# Altium PCB HIVE_BOARD_PCB ASCII REV Project_PCB_Rev.Project_SCH_Rev.PcbDoc (part 7 of 9)
Units mil, origin at the board's own origin, x right, y up, seen from the top; angles counter-clockwise.
Board outline 4330.71 x 4330.71 mil, 8 copper layers (Top, GND_1, Signal_1, GND_2, PWR, Signal_2, GND_3, Bottom), stack 62.994 mil thick; 660 components, 468 nets, 2497 pads, 1806 vias.
Unrouted connection lines stored in the file: 30.
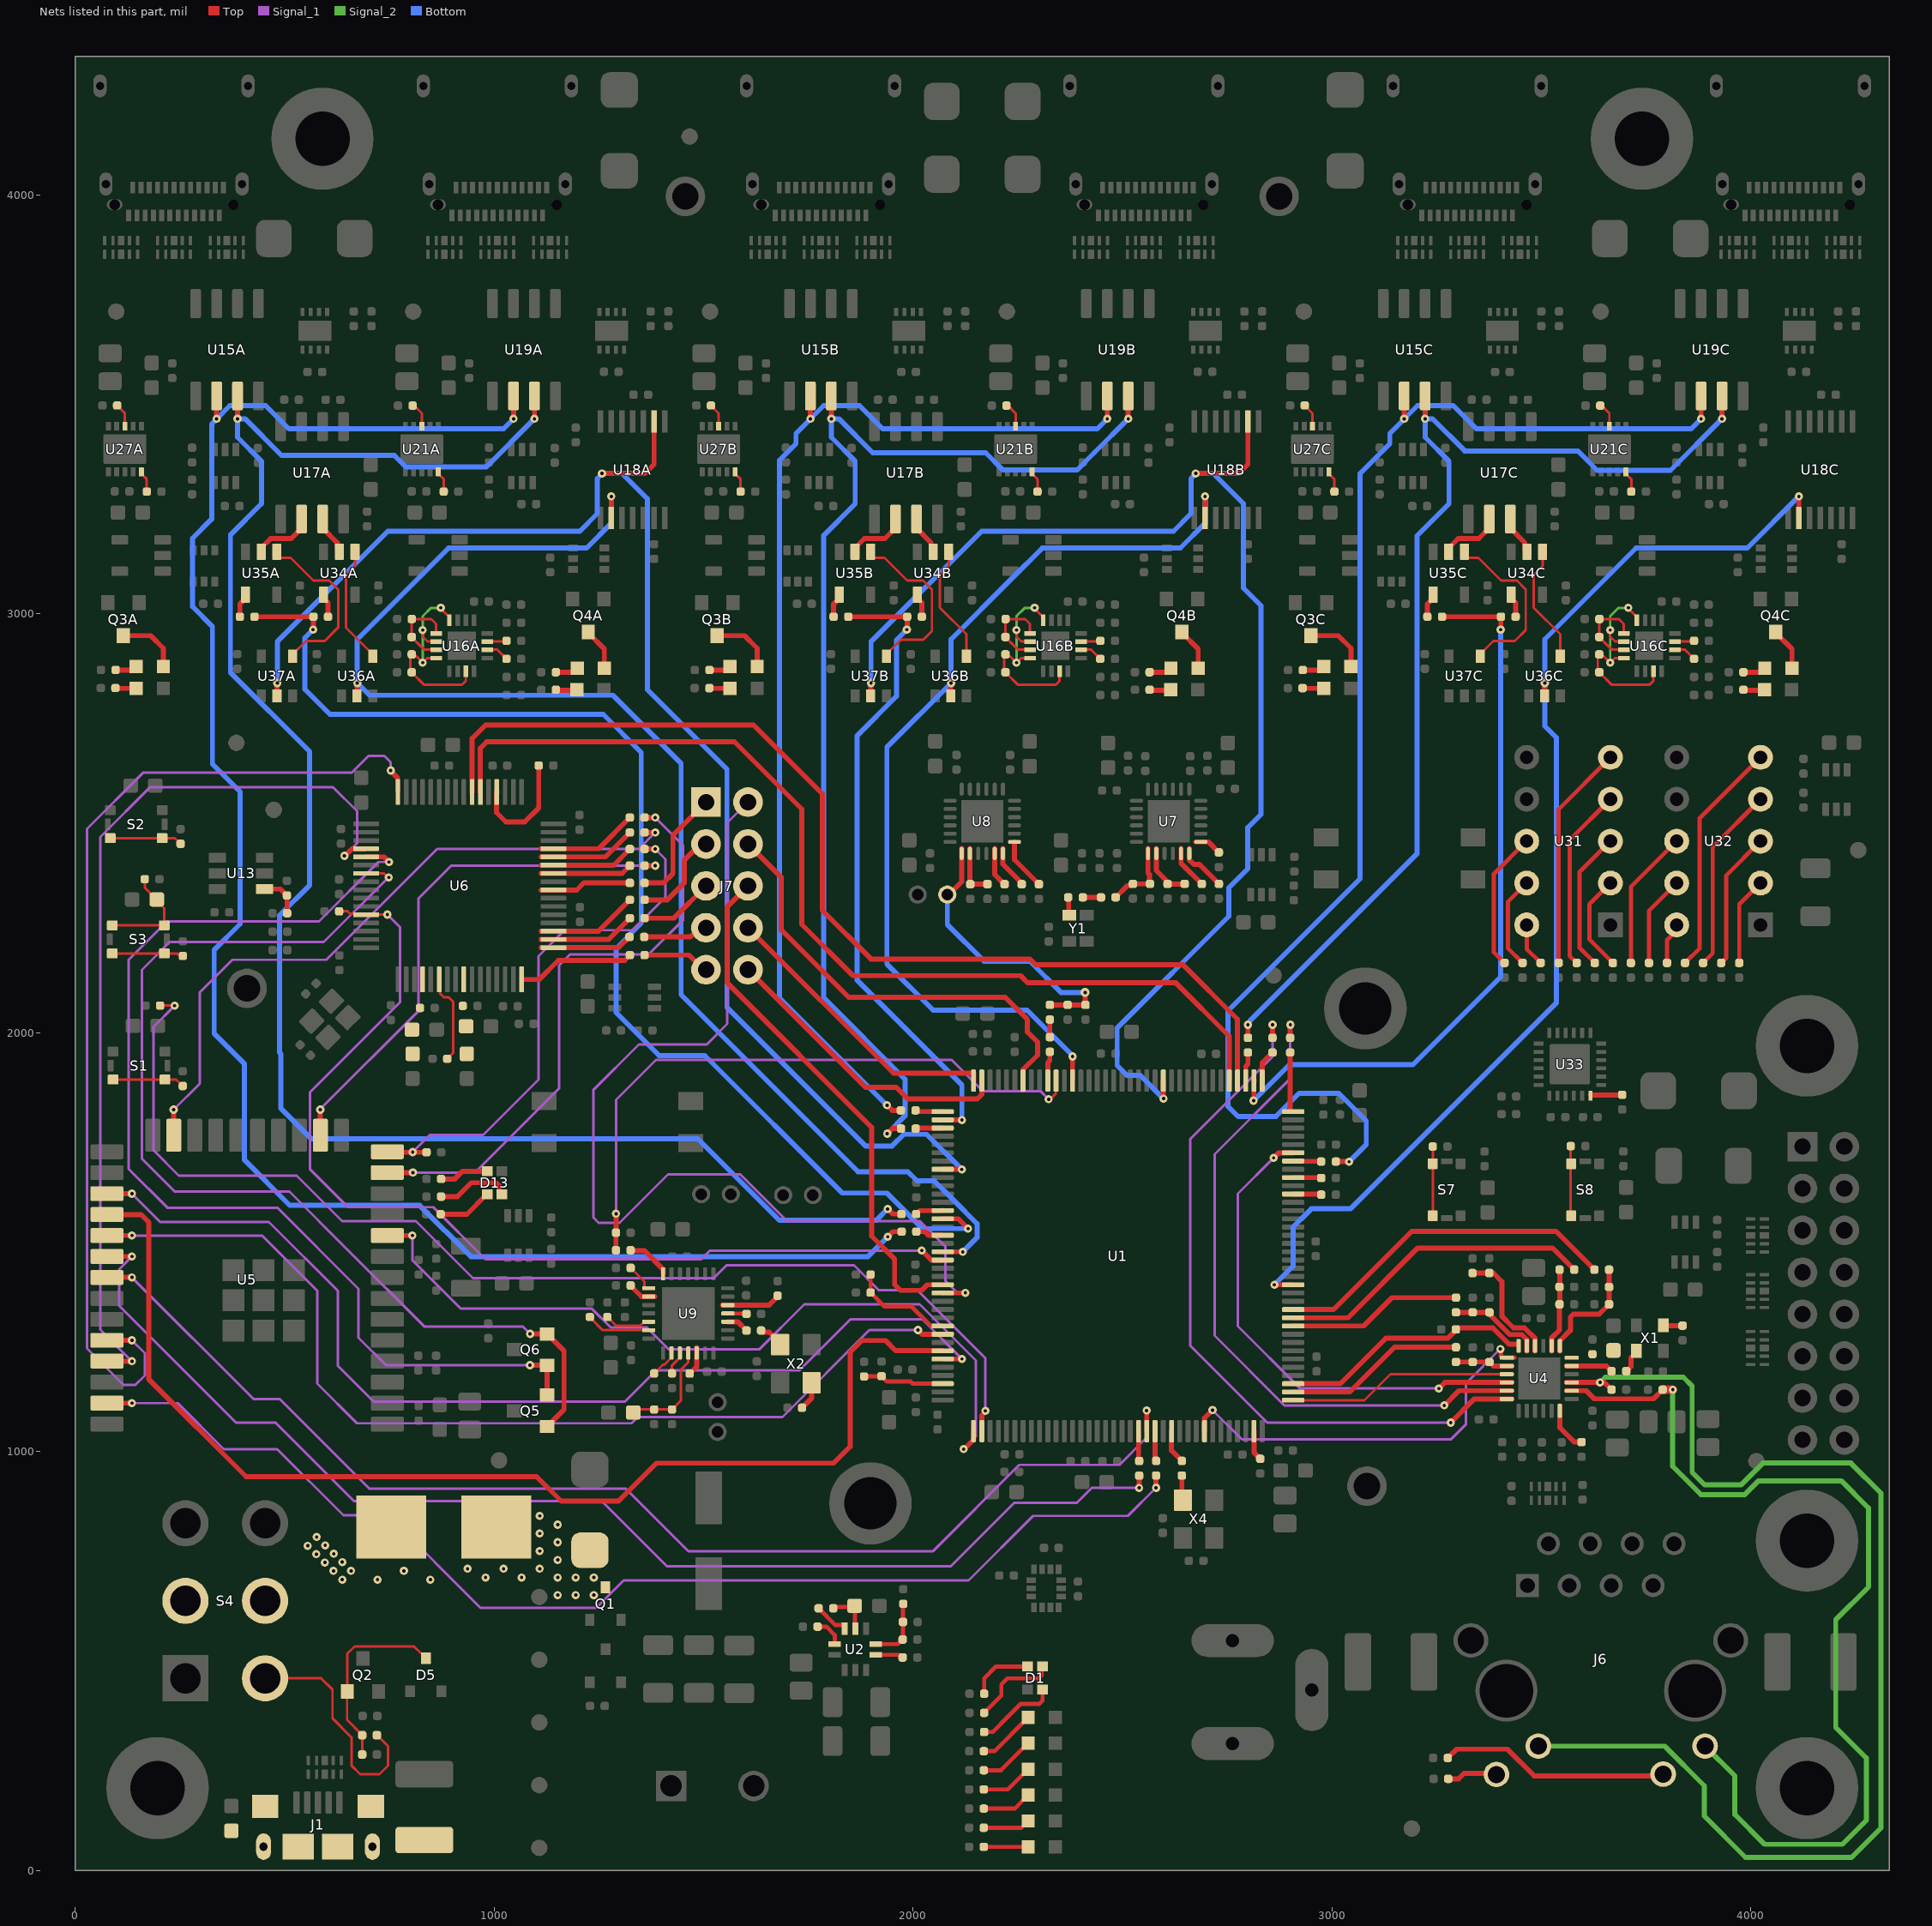
[diagram p13: the nets of this part, all layers, seen from the top]

## Via types
v1: diameter 19.68, hole 7.87, Top to Bottom, tented both sides, 1753 vias
v2: diameter 19.68, hole 7.87, Top to Bottom, 41 vias
v3: diameter 21.65, hole 7.87, Top to Bottom, tented both sides, 7 vias
v4: diameter 19.68, hole 7.87, Top to Bottom, tented bottom, 5 vias

## Nets (pads, with @x,y where several pads share a name; then routed paths per layer and width w, separated by ;. In a path a pad name is that pad's centre, name@x,y a point inside that pad or via, vN(x,y) a via of type N, cw(c..) or ccw(c..) an arc to the next point about the centre after c; other vN are vias at no path point) (continued)
MODE0: R18.1 R53.1 R157.2 U4.8 | length 202.1
  Top w12: U4.8@3524.38,1240 3524.38,1271.38 3543.28,1290.28 R53.1@3543.28,1351.58 ; R53.1@3543.83,1351.58 3543.83,1393.08 R18.1@3543.83,1434.31
MODE1: R19.1 R58.1 R158.2 U4.7 | length 279.1
  Top w12: U4.7@3544.06,1240 3544.06,1264.06 3569.39,1289.39 3569.39,1320.97 3576.42,1328 3637.92,1328 3657.51,1347.58 3657.66,1347.58 R58.1@3661.66,1351.58 R158.2@3661.58,1392.88 3661.58,1434.23 R19.1@3661.51,1434.31
MODE2: R47.1 R60.1 R159.2 U4.11 | length 226.1
  Top w12: R47.1@3296.12,1332.48 R47.1@3296.12,1332.48 R159.2@3376.06,1332.4 R159.2@3376.06,1332.4 3380.06,1328.4 3380.06,1323.94 3424.52,1279.48 3453.11,1279.48 3465.22,1267.36 3465.22,1252.44 U4.11@3465.32,1252.33 U4.11@3465.32,1240
NetC4_1: C4.1 R8.1 S3.3 S3.4 | length 248.9
  Top w6: S3.4@88.92,2256.09 S3.3@212.93,2256.09 212.93,2296.97 C4.1@196.54,2313.36 ; R8.1@166.33,2366.33 166.33,2346.15 194.73,2317.75 C4.1@195.23,2317.75
NetC26_1: C26.1 R15.1 R26.2 U2.7 | length 154.1
  Top w10: U2.7@1911.56,540.58 1963.98,540.58 1974.89,551.48 R15.1@1975.43,551.48 1976.13,552.19 1976.13,635.89 R26.2@1976.84,636.6
NetC37_1: C37.1 R24.2 U2.9 | length 109.1
  Top w10: R24.2@1809.76,625.98 1812.76,628.98 1857.76,628.98 C37.1@1860.76,631.98 1861.55,631.18 1861.55,577.79 U2.9@1862.35,577
NetC47_2: C47.2 U9.9 | length 71.3
  Top w12: C47.2@1323.73,1396.59 1327.73,1392.59 1329.41,1392.59 1352,1370 U9.9@1384.06,1370
NetC48_2: C48.2 U9.25 | length 44.9
  Top w10: U9.25@1558.22,1329.83 1568.89,1329.83 1569.08,1329.64 1601.59,1329.64 C48.2@1602.64,1328.59
NetC54_2: C54.2 C56.2 U4.6
NetC80_1: C80.1 C81.2 L4.2 U6.4
NetC82_1: C82.1 C83.2 L6.2 U6.9
NetC86_1: C86.1 R7.2 R20.1 U9.18 | length 246.4
  Top w6: C86.1@1332.45,1093.1 1339.83,1100.48 R7.2@1424.86,1100.48 1446.27,1121.88 1446.27,1195.63 1463.72,1213.09 U9.18@1463.72,1235.33
NetC94_1: C94.1 R81.1 R84.2 U7.7 | length 177.1
  Top w12: C94.1@2481.85,2323.98 C94.1@2483.85,2321.98 ; C94.1@2483.85,2322.95 2511.9,2351 2521,2351 R81.1@2525,2355 R81.1@2525,2355 R84.2@2565.8,2355.08 ; U7.7@2561.18,2439.55 U7.7@2561.18,2427.68 2561.18,2380.84 2564.43,2377.59 R84.2@2564.43,2361.91
NetC94_2: C94.2 R82.1 | length 43.8
  Top w12: R82.1@2405.49,2322.95 2405.97,2322.47 2448.36,2322.47 C94.2@2448.85,2321.98
NetD1_1: D1.1 R1.1 | length 197
  Top w10: R1.1@2170.03,330.68 2190.29,330.68 2226.6,367 2257.66,398.06 2302.25,398.06 2309.28,405.09 D1.1@2309.28,432.02
NetD1_2: D1.2 R2.1 | length 212
  Top w10: R2.1@2170.03,376.38 2210.99,417.34 2210.99,444.36 2225.21,458.58 2299.58,458.58 2306.42,465.42 2306.42,484.28 D1.2@2309.28,487.14
NetD1_4: D1.4 R3.1 | length 152.3
  Top w10: R3.1@2170.03,422.08 2170.03,458.92 2198.25,487.14 D1.4@2273.84,487.14
NetD3_1: D3.1 F1.2 Q1.3
  other v1: 1152.07,657.37 1195.13,657.37 1238.18,657.37 979.86,699.41 1065.97,699.41 1152.07,699.41 1195.13,699.41 1238.18,699.41 936.81,720.43 1022.91,720.43 1109.02,720.43 1152.07,741.44 1109.02,762.46 1152.07,783.48 1109.02,804.5 1152.07,825.51 1109.02,846.53
NetD4_A: D4.A R11.2 | length 105.8
  Top w10: R11.2@2169.09,56.5 D4.A@2274.91,56.51
NetD5_3: D5.3 Q2.1 R13.1 R14.2 | length 459.5
  Top w6: R14.2@685.24,281.24 685.28,281.28 685.28,323.56 685.32,323.6 649.27,359.64 649.27,427.09 Q2.1@649.79,427.6 649.79,517.79 667,535 809.11,535 826.72,517.39 828.68,517.39 837.49,508.58 D5.3@837.49,506.61
NetD6_A: D6.A R25.1 | length 112.6
  Top w10: R25.1@2169.01,102.2 2258.75,102.2 D6.A@2274.91,118.35
NetD13_1: D13.1 R40.1 | length 117.5
  Top w12: R40.1@873.69,1650.7 906.4,1650.7 924.8,1669.1 D13.1@983.54,1669.1
NetD13_2: D13.2 R46.1 | length 130.5
  Top w12: R46.1@872.68,1566.63 935.21,1566.63 982.56,1613.98 D13.2@983.54,1613.98
NetD13_4: D13.4 R63.1 | length 179
  Top w12: R63.1@873.69,1608.67 912.73,1608.67 945.77,1641.71 1004.92,1641.71 1012.18,1634.45 1012.18,1619.79 1017.99,1613.98 D13.4@1018.98,1613.98
NetD14A_A: D14A.A R115A.1 | length 53.9
  Top w12: R115A.1@92.56,2821.81 145.56,2821.81 D14A.A@145.87,2821.5 ; R115A.1@96.35,2822.71 R115A.1@96.66,2822.39
NetD14B_A: D14B.A R115B.1 | length 53.9
  Top w12: R115B.1@1509.88,2821.81 1562.88,2821.81 D14B.A@1563.2,2821.5 ; R115B.1@1513.9,2822.42 R115B.1@1514.22,2822.1
NetD14C_A: D14C.A R115C.1 | length 53.9
  Top w12: R115C.1@2927.2,2821.81 2980.21,2821.81 D14C.A@2980.52,2821.5 ; R115C.1@2929.94,2822.37 R115C.1@2930.26,2822.06
NetD17A_A: D17A.A R77A.1 | length 56.7
  Top w12: R77A.1@92.77,2865.29 137.16,2865.29 D17A.A@145.87,2874
NetD17A_K: D17A.K Q3A.3 | length 151.2
  Top w12: Q3A.3@115.47,2947.63 180.51,2947.63 210.83,2917.31 D17A.K@210.83,2874
NetD17B_A: D17B.A R77B.1 | length 56.7
  Top w12: R77B.1@1510.09,2865.29 1554.48,2865.29 D17B.A@1563.2,2874
NetD17B_K: D17B.K Q3B.3 | length 151.2
  Top w12: Q3B.3@1532.79,2947.63 1597.84,2947.63 1628.16,2917.31 D17B.K@1628.16,2874
NetD17C_A: D17C.A R77C.1 | length 56.7
  Top w12: R77C.1@2927.42,2865.29 2971.81,2865.29 D17C.A@2980.52,2874
NetD17C_K: D17C.K Q3C.3 | length 151.2
  Top w12: Q3C.3@2950.12,2947.63 3015.16,2947.63 3045.48,2917.31 D17C.K@3045.48,2874
NetD19A_A: D19A.A R110A.1 | length 56.7
  Top w12: R110A.1@1147.57,2860.29 1191.96,2860.29 D19A.A@1200.67,2869
NetD19A_K: D19A.K Q4A.3 | length 102.3
  Top w12: Q4A.3@1224.9,2956.33 1224.9,2954.36 1263.48,2915.78 D19A.K@1263.48,2870
NetD19B_A: D19B.A R110B.1 | length 56.7
  Top w12: R110B.1@2564.89,2860.29 2609.28,2860.29 D19B.A@2617.99,2869
NetD19B_K: D19B.K Q4B.3 | length 102.3
  Top w12: Q4B.3@2642.22,2956.33 2642.22,2954.36 2680.8,2915.78 D19B.K@2680.8,2870
NetD19C_A: D19C.A R110C.1 | length 56.7
  Top w12: R110C.1@3982.21,2860.29 4026.6,2860.29 D19C.A@4035.32,2869
NetD19C_K: D19C.K Q4C.3 | length 102.3
  Top w12: Q4C.3@4059.54,2956.33 4059.54,2954.36 4098.13,2915.78 D19C.K@4098.13,2870
NetD20A_A: D20A.A R123A.1 | length 53.9
  Top w12: R123A.1@1147.04,2817.12 1147.36,2816.81 1200.36,2816.81 D20A.A@1200.67,2816.5
NetD20B_A: D20B.A R123B.1 | length 53.9
  Top w12: R123B.1@2564.36,2817.12 2564.68,2816.81 2617.68,2816.81 D20B.A@2617.99,2816.5
NetD20C_A: D20C.A R123C.1 | length 53.9
  Top w12: R123C.1@3981.69,2817.12 3982,2816.81 4035,2816.81 D20C.A@4035.32,2816.5
NetD22_A: D22.A R5.2 | length 132.6
  Top w10: R5.2@2169.09,239.29 2210.32,239.29 D22.A@2274.91,303.88
NetD23_A: D23.A R23.2 | length 125.9
  Top w10: R23.2@2169.09,193.59 2226.47,193.59 D23.A@2274.91,242.04
NetD24_A: D24.A R33.2 | length 119.2
  Top w10: R33.2@2169.09,147.89 2242.61,147.89 D24.A@2274.91,180.2
NetD25_A: D25.A R129.2 | length 139.4
  Top w10: R129.2@2169.09,284.99 2194.32,284.99 D25.A@2275.05,365.72
NetF1_1: F1.1 S4.2 S4.5
  other v1: 637.89,694.2 721.96,694.2 848.07,694.2 616.88,715.22 658.91,715.22 785.02,715.22 596.43,735.19 637.89,736.24 575.98,755.16 617.45,756.21 555.53,775.13 597,776.18 576.55,796.15
NetJ6_9: J6.9 R51.2 | length 121.7
  Top w12: R51.2@3277.73,218.91 3302.39,218.91 3315.65,232.16 3389.82,232.16 J6.9@3392.7,229.28
NetJ6_11: J6.11 R49.2 | length 551
  Top w12: R49.2@3276.5,268.67 3297.68,289.85 3418.96,289.85 3482.68,226.13 3786.8,226.13 J6.11@3790.73,230.07
NetJ7_1: J7.1 R79.1 | length 280.4
  Top w12: R79.1@1359.23,2357.44 1404.72,2357.44 1427.06,2379.78 1427.06,2471.08 J7.1@1506.25,2550.27
NetJ7_2: J7.2 U1.131 | length 2400.3
  Top w12: U1.131@2070.82,1378.42 U1.131@2070.91,1378.52 2071.01,1378.61 2124.95,1378.61 v1(2125.2,1378.86)
  Signal_1 w6: J7.2@1606.25,2550.27 1556.73,2500.75 1556.73,2020.9 1507.79,1971.95 1345.8,1971.95 1236.83,1862.98 1236.83,1559.04 1249.79,1546.08 1299.86,1546.08 1415.48,1661.71 1587.9,1661.71 1699.79,1549.81 2016.87,1549.81 2077.2,1489.48 2077.2,1407.83 2105.37,1379.66 2124.4,1379.66 v1(2125.2,1378.86)
NetJ7_3: J7.3 R54.1 | length 233.9
  Top w12: R54.1@1359.37,2316.97 1413.62,2316.97 1453.89,2357.24 1453.89,2411.49 1492.66,2450.27 J7.3@1506.25,2450.27
NetJ7_4: J7.4 U1.102 | length 1084.3
  Top w12: J7.4@1606.25,2450.27 1685.89,2370.63 1685.89,2245.23 1846.67,2084.45 2220.28,2084.45 2273.31,2031.42 2273.31,2001.55 2297.37,1977.48 2297.37,1946.37 2262.84,1911.84 U1.102@2262.84,1885.4
NetJ7_5: J7.5 R37.1 | length 178.8
  Top w12: R37.1@1359.37,2273.27 1429.25,2273.27 J7.5@1506.25,2350.27
NetJ7_6: J7.6 U1.130 | length 1264.1
  Top w12: J7.6@1606.25,2350.27 1556,2300.01 1556,2119.49 1901.54,1773.95 1901.54,1514.25 1956.27,1459.52 1956.27,1398.73 1970.24,1384.76 2020.94,1384.76 2034.29,1398.11 2070.82,1398.11 U1.130@2070.91,1398.2
NetJ7_7: J7.7 R32.1 | length 156.9
  Top w12: R32.1@1358.37,2228.39 1468.45,2228.39 1490.32,2250.27 J7.7@1506.25,2250.27
NetJ7_8: J7.8 U1.108 | length 699.9
  Top w12: J7.8@1606.25,2250.27 1953.49,1903.03 2144.64,1903.03 2144.73,1902.93 U1.108@2144.73,1885.4
NetJ7_9: J7.9 R31.1 | length 161.3
  Top w12: R31.1@1359.36,2185.11 1465.53,2185.11 1500.37,2150.27 J7.9@1506.25,2150.27
NetJ7_10: J7.10 U1.107 | length 723.3
  Top w12: J7.10@1606.25,2150.27 1735.93,2020.59 1886.79,1869.72 1959.9,1869.72 1987.97,1841.66 2153.47,1841.66 2164.32,1852.51 2164.32,1885.31 U1.107@2164.42,1885.4
NetQ5_1: Q5.1 Q6.2 U6.55 | length 2585.8
  Top w6: U6.55@694.55,2380.02 737.46,2380.02 747,2370.47 v1(748.8,2370.47)
  Top w12: v1@1086.29,1280.66 Q6.2@1126.9,1280.66 1128.87,1280.66 1138.61,1270.92 1138.61,1268.95 1167.27,1240.29 1167.27,1100.33 1138.61,1071.67 1138.61,1069.7 1128.87,1059.96 Q5.1@1126.9,1059.96
  Signal_1 w6: v1@747.9,2370.47 593.52,2216.09 225.66,2216.09 159.45,2149.88 159.45,1699.03 237.73,1620.76 511.43,1620.76 651.49,1480.7 833.5,1298.69 1068.26,1298.69 v1(1086.1,1280.85)
NetQ5_2: Q5.2 Q6.1 U6.53 | length 2609.3
  Top w12: U6.53@694.55,2419.39 737.12,2419.39 v1(749.3,2407.21) ; v1(1085.92,1206.23) 1086.1,1206.05 1126.71,1206.05 Q6.1@1126.9,1205.86 Q5.2@1126.9,1134.76
  Signal_1 w6: v1(749.3,2407.21) 723.92,2407.21 582.31,2265.61 219.67,2265.61 128,2173.94 128,1674.59 220.38,1582.21 482.77,1582.21 676.71,1388.27 676.71,1272.01 742.49,1206.23 v1(1085.92,1206.23)
NetR4_2: R4.2 U9.17 | length 56.5
  Top w6: R4.2@1424.85,1186.65 1424.85,1205.65 1433.29,1214.09 ; 1433.32,1214.09 1443.72,1224.5 U9.17@1443.72,1235.33
NetR6_2: R6.2 U9.13 | length 152.9
  Top w6: R6.2@1228.92,1320.32 1259.42,1289.83 U9.13@1369.22,1289.83
NetR9_2: R9.2 S3.1 S3.2 | length 173.4
  Top w6: S3.2@88.92,2189.16 S3.1@212.93,2189.16 243.4,2189.16 R9.2@256.79,2175.76
NetR13_2: R13.2 S4.4 | length 560.6
  Top w6: S4.4@453.62,458.79 587.54,458.79 614.51,431.81 614.51,363.29 659.64,318.17 659.64,250.76 680.4,230 726.63,230 747.18,250.55 747.18,296.73 R13.2@720.32,323.6
NetR16_1: R16.1 U9.7 | length 107.3
  Top w12: R16.1@1325.64,1479.59 1359.29,1479.59 1403.72,1435.15 U9.7@1403.72,1424.33
NetR16_2: R16.2 R17.1 U1.98 | length 1525.2
  Top w6: v1(2324,1841) 2327.67,1841 2341.09,1854.42 2341.09,1884.91 U1.98@2341.58,1885.4
  Top w12: R16.2@1290.64,1479.59 1290.89,1479.84 1290.89,1522.34 R17.1@1291.14,1522.59 1291.22,1522.67 1291.22,1567.75 v1(1291.3,1567.83)
  Signal_1 w6: v1(1291.3,1567.83) 1291.3,1839.67 1386.47,1934.83 2092.42,1934.83 2166.63,1860.63 2304.37,1860.63 v1(2324,1841)
NetR18_2: R18.2 U1.47 | length 761.3
  Top w12: U1.47@2907.53,1319.46 3038.58,1319.46 3205.06,1485.94 3526.81,1485.94 R18.2@3578.44,1434.31
NetR19_2: R19.2 U1.48 | length 834
  Top w12: U1.48@2907.53,1339.15 3004,1339.15 3190.39,1525.53 3535.28,1525.53 R19.2@3626.51,1434.31
NetR21_1: R21.1 U2.1 | length 70.8
  Top w10: R21.1@1772.35,582.15 1793.39,582.15 1813.13,562.41 U2.1@1813.13,540.58
NetR22_2: R22.2 U2.6 | length 66.6
  Top w10: U2.6@1911.56,514.99 1968.36,514.99 1974.89,508.47 R22.2@1975.43,508.47
NetR24_1: R24.1 U2.10 | length 86.4
  Top w10: R24.1@1774.76,625.98 1814.87,585.87 1834.87,585.87 1836.76,583.98 U2.10@1836.76,577
NetR29_2: R29.2 X2.1 | length 69.1
  Top w12: R29.2@1735.39,1104.66 1757.91,1127.18 X2.1@1757.91,1164.41
NetR31_2: R31.2 U6.16 | length 282.7
  Top w12: U6.16@1065.81,2126.87 1107.85,2126.87 1153.52,2172.54 1311.79,2172.54 R31.2@1324.36,2185.11
NetR32_2: R32.2 U6.17 | length 221.6
  Top w12: U6.17@1111.89,2202.85 U6.17@1141.3,2202.85 ; U6.17@1141.79,2202.85 1297.84,2202.85 R32.2@1323.37,2228.39
NetR34_1: R34.1 U9.16 | length 68
  Top w6: R34.1@1382.24,1186.57 1403.22,1207.55 1406.78,1207.55 1423.72,1224.5 U9.16@1423.72,1235.33
NetR35_2: R35.2 U9.8 | length 71.5
  Top w6: R35.2@1326.14,1438.59 1358.94,1405.79 1358.94,1391.75 1360.86,1389.83 U9.8@1369.22,1389.83
NetR36_2: R36.2 U9.12 | length 111
  Top w6: R36.2@1270.69,1321.18 1291.38,1300.5 1349.07,1300.5 1358.4,1309.83 U9.12@1369.22,1309.83
NetR37_2: R37.2 U6.18 | length 233
  Top w12: U6.18@1111.89,2222.54 U6.18@1141.3,2222.54 ; U6.18@1141.79,2222.54 1273.64,2222.54 R37.2@1324.37,2273.27
NetR38_2: R38.2 U1.2 | length 2795.1
  Top w6: R38.2@203.13,2064.51 v1@237.55,2064.51
  Top w12: U1.2@2164.42,1048.79 2164.51,1048.89 2164.51,1086.32 2172.93,1094.74 v1(2172.93,1097.35)
  Signal_1 w6: v1(237.69,2064.38) 187,2013.69 187,1719.42 247.63,1658.79 528.78,1658.79 637.58,1550 813.81,1550 949.95,1413.86 1524.28,1413.86 1554.9,1444.47 1859.5,1444.47 1918.96,1385.01 2010.99,1385.01 2172.93,1223.07 v1(2172.93,1097.35)
NetR39_2: R39.2 S1.1 S1.2 | length 172.7
  Top w6: S1.2@90.76,1887.99 S1.1@214.77,1887.99 241.71,1887.99 R39.2@257.08,1872.63
NetR45_1: R45.1 U1.39 U4.12 | length 608.9
  Top w12: U1.39@2907.53,1161.98 3020.1,1161.98 3128.52,1270.4 3276.68,1270.4 3296.94,1290.66 3296.94,1291.99 3299.95,1295 3384.27,1295 3422.77,1256.5 U4.12@3444.56,1256.5
NetR47_2: R47.2 U1.46 | length 416.6
  Top w12: U1.46@2907.53,1299.78 3075.79,1299.78 3143.5,1367.48 R47.2@3296.12,1367.48
NetR48_2: R48.2 U1.38 | length 432.8
  Top w12: U1.38@2907.53,1142.29 3042.68,1142.29 3149.46,1249.07 R48.2@3296.12,1249.07
NetR50_2: R50.2 U4.24 | length 118.6
  Top w12: U4.24@3544.06,1109.67 3544.06,1057.14 3578.26,1022.94 3591.86,1022.94 3592.2,1022.6 R50.2@3595.86,1022.6
NetR52_2: R52.2 U9.26 | length 142
  Top w12: U9.26@1545.27,1349.83 U9.26@1558.22,1349.83 1656.73,1349.83 1673,1366.1 1673,1367.96 R52.2@1677,1371.96
NetR54_2: R54.2 U6.19 | length 243
  Top w12: U6.19@1111.89,2242.22 U6.19@1141.3,2242.22 ; U6.19@1141.79,2242.22 1249.62,2242.22 1254.41,2247.02 R54.2@1324.37,2316.97
NetR55_1: R55.1 U5.16 | length 1285.2
  Top w12: U5.16@585.69,1755.07 v1@585.69,1815.89 ; R55.1@1359.23,2398.49 v1(1384.87,2398.49)
  Signal_1 w6: v1(585.42,1816.17) 585.42,1817.65 820,2052.23 820,2320.7 897.8,2398.49 v1(1384.87,2398.49)
NetR55_2: R55.2 U6.26 | length 219.5
  Top w12: U6.26@1111.89,2380.02 U6.26@1141.3,2380.02 ; U6.26@1141.79,2380.02 1305.75,2380.02 R55.2@1324.23,2398.49
NetR56_1: R56.1 R59.2 U5.14 | length 1273.5
  Top w12: U5.14@745.35,1715.7 746.63,1714.42 R59.2@838.88,1714.42 ; R59.2@839.02,1714.42 R59.2@838.88,1714.42 ; R59.2@839.02,1714.56 R59.2@838.88,1714.42 ; R56.1@1359.23,2438.31 v1(1384.87,2438.31)
  Signal_1 w6: v1(805.76,1714.86) 846.9,1756 974.23,1756 1106.17,1887.94 1106.17,2182.43 1168.27,2244.53 1330.85,2244.53 1409.41,2323.1 1409.41,2413.76 v1(1384.87,2438.31)
NetR56_2: R56.2 U6.27 | length 227.8
  Top w12: U6.27@1111.89,2399.7 U6.27@1141.3,2399.7 ; U6.27@1141.79,2399.7 1285.62,2399.7 R56.2@1324.23,2438.31
NetR57_1: R57.1 U5.23 | length 1637.5
  Top w12: U5.23@235.69,1755.07 v1@235.69,1815.89 ; R57.1@1359.23,2477.69 v1(1384.87,2477.69)
  Signal_1 w6: v1(235.42,1816.17) 297.49,1878.24 297.49,2096.06 375.32,2173.88 599.91,2173.88 864.34,2438.31 1345.48,2438.31 v1(1384.87,2477.69)
NetR57_2: R57.2 U6.28 | length 236
  Top w12: U6.28@1111.89,2419.39 U6.28@1141.3,2419.39 ; U6.28@1141.79,2419.39 1265.92,2419.39 R57.2@1324.23,2477.69
NetR61_2: R61.2 X1.1 | length 47.1
  Top w12: X1.1@3790.23,1299.64 3790.69,1300.11 3836.46,1300.11 R61.2@3836.92,1300.57
NetR62_1: R62.1 U5.13 | length 1425.9
  Top w12: U5.13@745.07,1665.43 U5.13@745.35,1665.7 v1@806.17,1665.7 ; R62.1@1359.23,2513.49 v1(1384.87,2513.49)
  Signal_1 w6: v1(806.44,1665.98) 954.35,1665.98 1155.76,1867.39 1155.76,2161.04 1181.29,2186.57 1369,2186.57 1451.65,2269.22 1451.65,2446.7 v1(1384.87,2513.49)
NetR62_2: R62.2 U6.29 | length 242.7
  Top w12: U6.29@1111.89,2439.07 U6.29@1141.3,2439.07 ; U6.29@1141.79,2439.07 1249.81,2439.07 R62.2@1324.23,2513.49
NetR65_1: R65.1 U1.127 U6.60 | length 2445.4
  Top w6: R65.1@630.29,2289.57 630.8,2290.08 650.22,2290.08 656.2,2284.11 692.03,2284.11 U6.60@694.55,2281.59 694.74,2281.79 745.4,2281.79 v1(745.6,2281.98)
  Top w12: v1(2021.07,1479.88) 2043.6,1457.35 2070.82,1457.35 U1.127@2070.91,1457.26
  Signal_1 w6: v1(745.6,2281.98) 775.32,2252.25 775.32,2072.25 610.89,1907.82 561.09,1858.02 561.09,1673.52 651.25,1583.36 855.21,1583.36 979.52,1459.06 1494.86,1459.06 1515.69,1479.88 v1(2021.07,1479.88)
NetR67_1: R67.1 R72.2 U13.1 | length 102.5
  Top w12: U13.1@452.2,2342.74 490.34,2342.74 R72.2@505.67,2327.4 506.04,2327.04 506.04,2285.42 R67.1@506.4,2285.05
NetR71_2: R71.2 S2.1 S2.2 | length 173.4
  Top w6: S2.2@83.96,2464.16 S2.1@207.98,2464.16 238.44,2464.16 R71.2@251.84,2450.77
NetR74_2: R74.2 U6.6 | length 216.1
  Top w6: U6.6@868.96,2126.87 871.38,2124.45 871.38,2093.15 880.23,2084.29 891.71,2084.29 903,2073 903,1952.35 R74.2@888.33,1937.68
NetR79_2: R79.2 U6.24 | length 218.5
  Top w12: U6.24@1112.37,2340.16 U6.24@1141.79,2340.16 ; U6.24@1142.28,2340.16 1169.9,2340.16 1197.16,2340.16 1214.44,2357.44 R79.2@1324.23,2357.44
NetR80_1: R80.1 R83.2 U7.8 | length 135.3
  Top w12: U7.8@2580.86,2439.55 U7.8@2580.86,2427.68 2580.86,2386.76 R80.1@2610.2,2357.41 ; R80.1@2607.79,2355 2607.97,2354.82 2648.33,2354.82 R83.2@2648.59,2355.08
NetR82_2: R82.2 Y1.3 | length 43.5
  Top w12: R82.2@2370.49,2322.95 2371.83,2321.61 2371.83,2281.85 Y1.3@2373.16,2280.51
NetR85_1: R85.1 U7.11 | length 105.3
  Top w12: U7.11@2639.92,2439.55 U7.11@2639.92,2427.68 2639.92,2404.02 2661.49,2382.45 2661.94,2382.45 2685.39,2359 R85.1@2689.39,2355
NetR86_1: R86.1 U7.12 | length 121.5
  Top w12: U7.12@2659.6,2439.55 2659.6,2412.4 2670.49,2401.51 2683.68,2401.51 2726.19,2359 R86.1@2730.19,2355
NetR87_1: R87.1 R88.2 U8.8 | length 126.2
  Top w12: R87.1@2135.98,2354.4 U8.8@2135.98,2427.68 U8.8@2135.98,2439.55 ; R87.1@2136.79,2354.4 R87.1@2136.79,2354.4 R88.2@2177.77,2354.48 R88.2@2177.77,2354.48
NetR89_1: R89.1 U8.11 | length 94.8
  Top w12: U8.11@2195.04,2439.55 U8.11@2195.04,2427.68 2195.04,2377.67 2214.31,2358.4 R89.1@2218.31,2354.4
NetR90_1: R90.1 U8.12 | length 103.5
  Top w12: U8.12@2214.72,2439.55 2214.72,2402.16 2255.11,2361.78 2255.11,2358.4 R90.1@2259.11,2354.4
NetR100A_2: R100A.2 R106A.1 U16A.4 U16A.6 U16A.8 U16A.11 | length 538.6
  Top w6: v1(829.72,2960.95) 829.72,2945.28 841.2,2933.8 861.46,2933.8 U16A.6@861.95,2933.31 ; U16A.8@861.95,2893.94 840.66,2893.94 v1(829.72,2883) 809.85,2902.87 R100A.2@803.61,2902.87 800,2899.26 800,2863.74 R106A.1@803.53,2860.21 833.74,2830 923,2830 932.82,2839.82 U16A.11@932.82,2862.45 ; v1(873,3014) 873,3012.24 893.45,2991.79 U16A.4@893.45,2984.5